# KiCad board panel.kicad_pcb (continued)
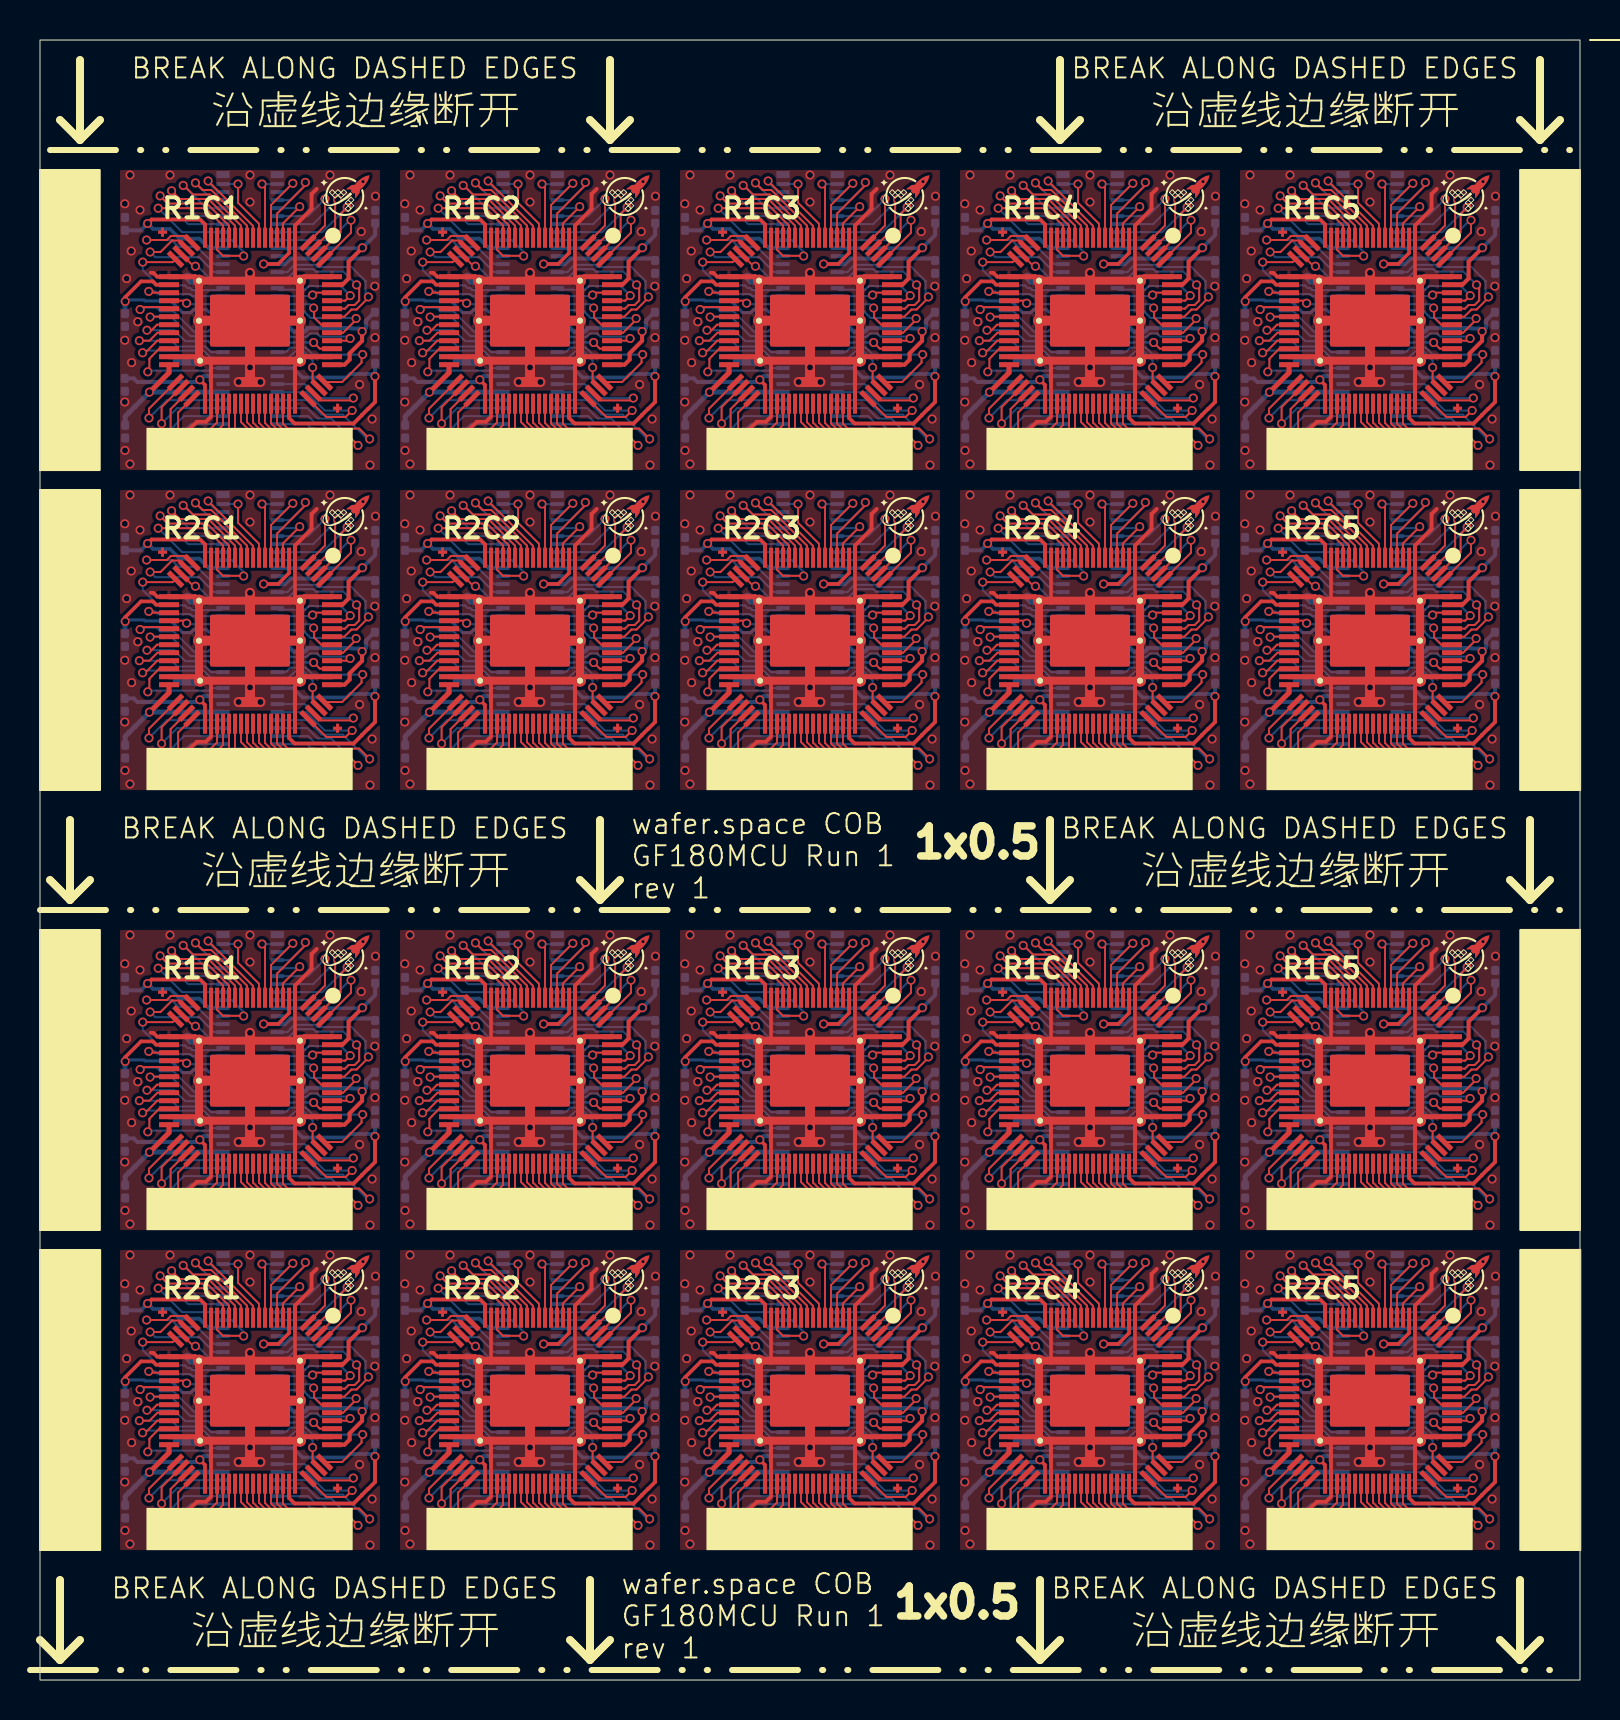
[diagram p0: board, top side]
## Routing (per net, layer and track width the routed paths; a pad name or vN(x,y) marks a point on that pad's centre or on a via; arc(x,y) is an arc through that point) (continued)
/an_2: length 113.8
  Top w0.1: U118.65 57.16,51.36 57.8,52.01 v1(57.8,52.08) ; v1(29.8,30.08) 29.8,30.01 29.16,29.36 U104#2.65 ; U120#2.65 71.16,51.36 71.81,52.01 v1(71.81,52.08) ; v1(57.8,14.08) 57.8,14.01 57.16,13.36 U118#2.65 ; U104.65 29.16,67.37 29.8,68.01 v1(29.8,68.08) ; U106.65 43.16,67.37 43.8,68.01 v1(43.8,68.08) ; U110.65 71.16,67.37 71.81,68.01 v1(71.81,68.08) ; U114.65 29.16,51.36 29.8,52.01 v1(29.8,52.08) ; U116#2.65 43.16,13.36 43.8,14.01 v1(43.8,14.08) ; v1(15.8,68.08) 15.8,68.01 15.16,67.37 U102#2.65 ; U112#2.65 15.16,13.36 15.8,14.01 v1(15.8,14.08) ; v1(71.81,14.08) 71.81,14.01 71.16,13.36 U120.65 ; v1(29.8,14.08) 29.8,14.01 29.16,13.36 U114#2.65 ; U102.65 15.16,29.36 15.8,30.01 v1(15.8,30.08) ; U106#2.65 43.16,29.36 43.8,30.01 v1(43.8,30.08) ; U112.65 15.16,51.36 15.8,52.01 v1(15.8,52.08) ; v1(57.8,30.08) 57.8,30.01 57.16,29.36 U108.65 ; v1(43.8,52.08) 43.8,52.01 43.16,51.36 U116.65 ; v1(71.81,30.08) 71.81,30.01 71.16,29.36 U110#2.65 ; v1(57.8,68.08) 57.8,68.01 57.16,67.37 U108#2.65
  Bottom w0.1: 39.87,30.39 39.87,30.39 40.37,30.39 40.47,30.49 41.14,30.49 41.53,30.1 43.78,30.1 v1(43.8,30.08) ; v1(43.8,14.08) 43.78,14.1 41.53,14.1 41.14,14.49 40.47,14.49 40.37,14.39 39.87,14.39 39.87,14.39 ; v1(57.8,30.08) 57.78,30.1 55.53,30.1 55.14,30.49 54.47,30.49 54.37,30.39 53.87,30.39 53.87,30.39 ; 11.87,14.39 11.87,14.39 12.37,14.39 12.47,14.49 13.14,14.49 13.53,14.1 15.78,14.1 v1(15.8,14.08) ; 67.87,52.39 67.87,52.39 68.37,52.39 68.47,52.49 69.14,52.49 69.53,52.1 71.78,52.1 v1(71.81,52.08) ; v1(43.8,52.08) 43.78,52.1 41.53,52.1 41.14,52.49 40.47,52.49 40.37,52.39 39.87,52.39 39.87,52.39 ; 67.87,14.39 67.87,14.39 68.37,14.39 68.47,14.49 69.14,14.49 69.53,14.1 71.78,14.1 v1(71.81,14.08) ; 53.87,52.39 53.87,52.39 54.37,52.39 54.47,52.49 55.14,52.49 55.53,52.1 57.78,52.1 v1(57.8,52.08) ; U103.17 25.87,68.39 26.37,68.39 26.47,68.49 27.14,68.49 27.53,68.1 29.78,68.1 v1(29.8,68.08) ; v1(15.8,30.08) 15.78,30.1 13.53,30.1 13.14,30.49 12.47,30.49 12.37,30.39 11.87,30.39 11.87,30.39 ; v1(57.8,68.08) 57.78,68.1 55.53,68.1 55.14,68.49 54.47,68.49 54.37,68.39 53.87,68.39 U107#2.17 ; U105#2.17 39.87,68.39 40.37,68.39 40.47,68.49 41.14,68.49 41.53,68.1 43.78,68.1 v1(43.8,68.08) ; 11.87,52.39 11.87,52.39 12.37,52.39 12.47,52.49 13.14,52.49 13.53,52.1 15.78,52.1 v1(15.8,52.08) ; v1(29.8,30.08) 29.78,30.1 27.53,30.1 27.14,30.49 26.47,30.49 26.37,30.39 25.87,30.39 25.87,30.39 ; v1(57.8,14.08) 57.78,14.1 55.53,14.1 55.14,14.49 54.47,14.49 54.37,14.39 53.87,14.39 53.87,14.39 ; v1(15.8,68.08) 15.78,68.1 13.53,68.1 13.14,68.49 12.47,68.49 12.37,68.39 11.87,68.39 U101#2.17 ; v1(71.81,68.08) 71.78,68.1 69.53,68.1 69.14,68.49 68.47,68.49 68.37,68.39 67.87,68.39 U109.17 ; v1(29.8,52.08) 29.78,52.1 27.53,52.1 27.14,52.49 26.47,52.49 26.37,52.39 25.87,52.39 25.87,52.39 ; v1(71.81,30.08) 71.78,30.1 69.53,30.1 69.14,30.49 68.47,30.49 68.37,30.39 67.87,30.39 67.87,30.39 ; 25.87,14.39 25.87,14.39 26.37,14.39 26.47,14.49 27.14,14.49 27.53,14.1 29.78,14.1 v1(29.8,14.08)
/an_3: length 68.5
  Top w0.1: U108#2.66 56.07,67.77 55.71,68.12 55.71,68.53 55.68,68.55 v1(55.68,68.6) ; v1(55.68,30.6) 55.68,30.55 55.71,30.53 55.71,30.12 56.07,29.77 U108.66 ; v1(69.68,30.6) 69.68,30.55 69.71,30.53 69.71,30.12 70.06,29.77 U110#2.66 ; U106.66 42.07,67.77 41.71,68.12 41.71,68.53 41.68,68.55 v1(41.68,68.6) ; v1(27.68,52.6) 27.68,52.55 27.71,52.53 27.71,52.12 28.07,51.77 U114.66 ; v1(55.68,14.6) 55.68,14.55 55.71,14.53 55.71,14.12 56.07,13.77 U118#2.66 ; v1(69.68,68.6) 69.68,68.55 69.71,68.53 69.71,68.12 70.06,67.77 U110.66 ; U118.66 56.07,51.77 55.71,52.12 55.71,52.53 55.68,52.55 v1(55.68,52.6) ; v1(13.68,52.6) 13.68,52.55 13.71,52.53 13.71,52.12 14.07,51.77 U112.66 ; v1(69.68,52.6) 69.68,52.55 69.71,52.53 69.71,52.12 70.06,51.77 U120#2.66 ; U120.66 70.06,13.77 69.71,14.12 69.71,14.53 69.68,14.55 v1(69.68,14.6) ; U102.66 14.07,29.77 13.71,30.12 13.71,30.53 13.68,30.55 v1(13.68,30.6) ; v1(13.68,14.6) 13.68,14.55 13.71,14.53 13.71,14.12 14.07,13.77 U112#2.66 ; U114#2.66 28.07,13.77 27.71,14.12 27.71,14.53 27.68,14.55 v1(27.68,14.6) ; U104#2.66 28.07,29.77 27.71,30.12 27.71,30.53 27.68,30.55 v1(27.68,30.6) ; v1(41.68,30.6) 41.68,30.55 41.71,30.53 41.71,30.12 42.07,29.77 U106#2.66 ; U116#2.66 42.07,13.77 41.71,14.12 41.71,14.53 41.68,14.55 v1(41.68,14.6) ; v1(41.68,52.6) 41.68,52.55 41.71,52.53 41.71,52.12 42.07,51.77 U116.66 ; v1(27.68,68.6) 27.68,68.55 27.71,68.53 27.71,68.12 28.07,67.77 U104.66 ; U102#2.66 14.07,67.77 13.71,68.12 13.71,68.53 13.68,68.55 v1(13.68,68.6)
  Bottom w0.1: v1(69.68,68.6) 69.49,68.8 U109.16 ; U101.16 13.49,30.8 v1(13.68,30.6) ; v1(41.68,68.6) 41.49,68.8 U105#2.16 ; v1(55.68,52.6) 55.49,52.8 U117#2.16 ; v1(13.68,52.6) 13.49,52.8 U111.16 ; U115#2.16 41.49,14.8 v1(41.68,14.6) ; v1(69.68,30.6) 69.49,30.8 U109#2.16 ; U103#2.16 27.49,30.8 v1(27.68,30.6) ; U103.16 27.49,68.8 v1(27.68,68.6) ; U119#2.16 69.49,52.8 v1(69.68,52.6) ; U111#2.16 13.49,14.8 v1(13.68,14.6) ; U119.16 69.49,14.8 v1(69.68,14.6) ; U115.16 41.49,52.8 v1(41.68,52.6) ; v1(55.68,68.6) 55.49,68.8 U107#2.16 ; U117.16 55.49,14.8 v1(55.68,14.6) ; v1(27.68,14.6) 27.49,14.8 U113#2.16 ; U113.16 27.49,52.8 v1(27.68,52.6) ; v1(41.68,30.6) 41.49,30.8 U105.16 ; v1(55.68,30.6) 55.49,30.8 U107.16 ; v1(13.68,68.6) 13.49,68.8 U101#2.16
/bidir_0: length 129.5
  Top w0.1: v1(28.87,74.03) 28.87,74.02 28.76,73.9 28.76,72.67 27.68,71.59 ; v1(14.87,20.03) 14.87,20.02 14.76,19.9 14.76,18.67 13.68,17.59 ; v1(70.87,20.03) 70.87,20.02 70.75,19.9 70.75,18.67 U120.3 ; 55.68,17.59 56.76,18.67 56.76,19.9 56.87,20.02 v1(56.87,20.03) ; v1(42.87,74.03) 42.87,74.02 42.76,73.9 42.76,72.67 41.68,71.59 ; v1(42.87,36.03) 42.87,36.02 42.76,35.9 42.76,34.67 41.68,33.59 ; 13.68,71.59 14.76,72.67 14.76,73.9 14.87,74.02 v1(14.87,74.03) ; 41.68,17.59 42.76,18.67 42.76,19.9 42.87,20.02 v1(42.87,20.03) ; v1(14.87,58.03) 14.87,58.02 14.76,57.9 14.76,56.67 13.68,55.59 ; v1(56.87,58.03) 56.87,58.02 56.76,57.9 56.76,56.67 55.68,55.59 ; 13.68,33.59 14.76,34.67 14.76,35.9 14.87,36.02 v1(14.87,36.03) ; 55.68,33.59 56.76,34.67 56.76,35.9 56.87,36.02 v1(56.87,36.03) ; v1(70.87,36.03) 70.87,36.02 70.75,35.9 70.75,34.67 U110#2.3 ; v1(28.87,58.03) 28.87,58.02 28.76,57.9 28.76,56.67 27.68,55.59 ; v1(70.87,58.03) 70.87,58.02 70.75,57.9 70.75,56.67 U120#2.3 ; 55.68,71.59 56.76,72.67 56.76,73.9 56.87,74.02 v1(56.87,74.03) ; v1(70.87,74.03) 70.87,74.02 70.75,73.9 70.75,72.67 U110.3 ; v1(28.87,20.03) 28.87,20.02 28.76,19.9 28.76,18.67 27.68,17.59 ; v1(28.87,36.03) 28.87,36.02 28.76,35.9 28.76,34.67 27.68,33.59 ; 41.68,55.59 42.76,56.67 42.76,57.9 42.87,58.02 v1(42.87,58.03)
  Bottom w0.1: U107.6 55.65,34.8 56.87,36.02 v1(56.87,36.03) ; U119.6 69.65,18.8 70.87,20.02 v1(70.87,20.03) ; U117#2.6 55.65,56.8 56.87,58.02 v1(56.87,58.03) ; v1(70.87,58.03) 70.87,58.02 69.65,56.8 U119#2.6 ; U111#2.6 13.65,18.8 14.87,20.02 v1(14.87,20.03) ; U113.6 27.65,56.8 28.87,58.02 v1(28.87,58.03) ; v1(42.87,20.03) 42.87,20.02 41.65,18.8 U115#2.6 ; v1(42.87,58.03) 42.87,58.02 41.65,56.8 U115.6 ; U105#2.6 41.65,72.8 42.87,74.02 v1(42.87,74.03) ; v1(14.87,74.03) 14.87,74.02 13.65,72.8 U101#2.6 ; v1(56.87,74.03) 56.87,74.02 55.65,72.8 U107#2.6 ; U101.6 13.65,34.8 14.87,36.02 v1(14.87,36.03) ; v1(14.87,58.03) 14.87,58.02 13.65,56.8 U111.6 ; U103#2.6 27.65,34.8 28.87,36.02 v1(28.87,36.03) ; U109.6 69.65,72.8 70.87,74.02 v1(70.87,74.03) ; U109#2.6 69.65,34.8 70.87,36.02 v1(70.87,36.03) ; U103.6 27.65,72.8 28.87,74.02 v1(28.87,74.03) ; v1(42.87,36.03) 42.87,36.02 41.65,34.8 U105.6 ; U117.6 55.65,18.8 56.87,20.02 v1(56.87,20.03) ; v1(28.87,20.03) 28.87,20.02 27.65,18.8 U113#2.6
/bidir_1: length 105.5
  Top w0.1: U120#2.4 69.4,55.87 70.25,56.72 v1(70.25,58.05) ; U108.4 55.4,33.87 56.25,34.72 v1(56.25,36.05) ; v1(56.25,74.05) 56.25,72.72 55.4,71.87 U108#2.4 ; U118.4 55.4,55.87 56.25,56.72 v1(56.25,58.05) ; U104#2.4 27.4,33.87 28.25,34.72 v1(28.25,36.05) ; U106.4 41.4,71.87 42.25,72.72 v1(42.25,74.05) ; U114.4 27.4,55.87 28.25,56.72 v1(28.25,58.05) ; v1(70.25,74.05) 70.25,72.72 69.4,71.87 U110.4 ; v1(42.25,58.05) 42.25,56.72 41.4,55.87 U116.4 ; U120.4 69.4,17.87 70.25,18.72 v1(70.25,20.05) ; v1(28.25,20.05) 28.25,18.72 27.4,17.87 U114#2.4 ; U102#2.4 13.4,71.87 14.25,72.72 v1(14.25,74.05) ; U112#2.4 13.4,17.87 14.25,18.72 v1(14.25,20.05) ; U110#2.4 69.4,33.87 70.25,34.72 v1(70.25,36.05) ; v1(56.25,20.05) 56.25,18.72 55.4,17.87 U118#2.4 ; v1(14.25,58.05) 14.25,56.72 13.4,55.87 U112.4 ; v1(28.25,74.05) 28.25,72.72 27.4,71.87 U104.4 ; U102.4 13.4,33.87 14.25,34.72 v1(14.25,36.05) ; v1(42.25,36.05) 42.25,34.72 41.4,33.87 U106#2.4 ; U116#2.4 41.4,17.87 42.25,18.72 v1(42.25,20.05)
  Bottom w0.1: v1(42.25,58.05) 41.4,57.2 U115.5 ; v1(42.25,36.05) 41.4,35.2 U105.5 ; U117.5 55.4,19.2 v1(56.25,20.05) ; U113.5 27.4,57.2 v1(28.25,58.05) ; v1(28.25,74.05) 27.4,73.19 U103.5 ; v1(14.25,20.05) 13.4,19.2 U111#2.5 ; U105#2.5 41.4,73.19 v1(42.25,74.05) ; U107.5 55.4,35.2 v1(56.25,36.05) ; U103#2.5 27.4,35.2 v1(28.25,36.05) ; U107#2.5 55.4,73.19 v1(56.25,74.05) ; v1(14.25,36.05) 13.4,35.2 U101.5 ; v1(70.25,58.05) 69.4,57.2 U119#2.5 ; v1(42.25,20.05) 41.4,19.2 U115#2.5 ; U117#2.5 55.4,57.2 v1(56.25,58.05) ; U111.5 13.4,57.2 v1(14.25,58.05) ; v1(70.25,20.05) 69.4,19.2 U119.5 ; U113#2.5 27.4,19.2 v1(28.25,20.05) ; v1(14.25,74.05) 13.4,73.19 U101#2.5 ; v1(70.25,74.05) 69.4,73.19 U109.5 ; v1(70.25,36.05) 69.4,35.2 U109#2.5
/bidir_2: length 60.9
  Top w0.1: 26.15,34.11 26.15,34.83 v1(26.99,35.67) ; 12.15,18.11 12.15,18.83 v1(12.99,19.67) ; v1(54.99,57.67) 54.15,56.83 54.15,56.11 ; v1(40.99,73.66) 40.15,72.83 U106.7 ; v1(68.99,19.67) 68.15,18.83 68.15,18.11 ; 54.15,34.11 54.15,34.83 v1(54.99,35.67) ; v1(40.99,57.67) 40.15,56.83 40.15,56.11 ; 40.15,18.11 40.15,18.83 v1(40.99,19.67) ; 54.15,18.11 54.15,18.83 v1(54.99,19.67) ; v1(54.99,73.66) 54.15,72.83 U108#2.7 ; v1(26.99,19.67) 26.15,18.83 26.15,18.11 ; 40.15,34.11 40.15,34.83 v1(40.99,35.67) ; v1(68.99,73.66) 68.15,72.83 U110.7 ; U102#2.7 12.15,72.83 v1(12.99,73.66) ; 26.15,56.11 26.15,56.83 v1(26.99,57.67) ; 12.15,56.11 12.15,56.83 v1(12.99,57.67) ; v1(26.99,73.66) 26.15,72.83 U104.7 ; v1(68.99,57.67) 68.15,56.83 68.15,56.11 ; v1(68.99,35.67) 68.15,34.83 68.15,34.11 ; v1(12.99,35.67) 12.15,34.83 12.15,34.11
  Bottom w0.1: v1(54.99,19.67) 54.91,19.59 U117.4 ; v1(26.99,57.67) 26.91,57.59 U113.4 ; U113#2.4 26.91,19.59 v1(26.99,19.67) ; U115#2.4 40.91,19.59 v1(40.99,19.67) ; U111.4 12.91,57.59 v1(12.99,57.67) ; v1(68.99,35.67) 68.92,35.59 U109#2.4 ; U101.4 12.91,35.59 v1(12.99,35.67) ; v1(26.99,35.67) 26.91,35.59 U103#2.4 ; U119#2.4 68.92,57.59 v1(68.99,57.67) ; v1(40.99,35.67) 40.91,35.59 U105.4 ; v1(26.99,73.66) 26.91,73.59 U103.4 ; U101#2.4 12.91,73.59 v1(12.99,73.66) ; v1(54.99,57.67) 54.91,57.59 U117#2.4 ; v1(54.99,73.66) 54.91,73.59 U107#2.4 ; U115.4 40.91,57.59 v1(40.99,57.67) ; U119.4 68.92,19.59 v1(68.99,19.67) ; v1(40.99,73.66) 40.91,73.59 U105#2.4 ; U107.4 54.91,35.59 v1(54.99,35.67) ; v1(12.99,19.67) 12.91,19.59 U111#2.4 ; U109.4 68.92,73.59 v1(68.99,73.66)
/bidir_3: length 104
  Top w0.1: v1(69.27,74.88) 69.26,74.87 69.26,74.73 67.85,73.32 U110.8 ; v1(69.27,58.88) 69.26,58.87 69.26,58.73 67.85,57.32 67.85,56.11 ; 11.85,56.11 11.85,57.32 13.26,58.73 13.26,58.87 v1(13.27,58.88) ; v1(41.27,58.88) 41.26,58.87 41.26,58.73 39.85,57.32 39.85,56.11 ; U104.8 25.85,73.32 27.26,74.73 27.26,74.87 v1(27.27,74.88) ; U102#2.8 11.85,73.32 13.26,74.73 13.26,74.87 v1(13.27,74.88) ; 67.85,34.11 67.85,35.32 69.26,36.73 69.26,36.87 v1(69.27,36.88) ; v1(27.27,36.88) 27.26,36.87 27.26,36.73 25.85,35.32 25.85,34.11 ; 25.85,56.11 25.85,57.32 27.26,58.73 27.26,58.87 v1(27.27,58.88) ; 67.85,18.11 67.85,19.32 69.26,20.73 69.26,20.87 v1(69.27,20.88) ; v1(55.27,20.88) 55.26,20.87 55.26,20.73 53.85,19.32 53.85,18.11 ; v1(13.27,36.88) 13.26,36.87 13.26,36.73 11.85,35.32 11.85,34.11 ; v1(55.27,58.88) 55.26,58.87 55.26,58.73 53.85,57.32 53.85,56.11 ; v1(41.27,20.88) 41.26,20.87 41.26,20.73 39.85,19.32 39.85,18.11 ; 39.85,34.11 39.85,35.32 41.26,36.73 41.26,36.87 v1(41.27,36.88) ; v1(55.27,74.88) 55.26,74.87 55.26,74.73 53.85,73.32 U108#2.8 ; v1(13.27,20.88) 13.26,20.87 13.26,20.73 11.85,19.32 11.85,18.11 ; v1(55.27,36.88) 55.26,36.87 55.26,36.73 53.85,35.32 53.85,34.11 ; v1(27.27,20.88) 27.26,20.87 27.26,20.73 25.85,19.32 25.85,18.11 ; v1(41.27,74.88) 41.26,74.87 41.26,74.73 39.85,73.32 U106.8
  Bottom w0.1: v1(55.27,58.88) 55.26,58.87 55.26,58.74 54.51,58 U117#2.3 ; U113#2.3 26.51,20 27.26,20.74 27.26,20.87 v1(27.27,20.88) ; v1(13.27,20.88) 13.26,20.87 13.26,20.74 12.51,20 U111#2.3 ; U103.3 26.51,74 27.26,74.74 27.26,74.87 v1(27.27,74.88) ; v1(27.27,36.88) 27.26,36.87 27.26,36.74 26.51,36 U103#2.3 ; U105#2.3 40.51,74 41.26,74.74 41.26,74.87 v1(41.27,74.88) ; v1(69.27,74.88) 69.26,74.87 69.26,74.74 68.52,74 U109.3 ; U107.3 54.51,36 55.26,36.74 55.26,36.87 v1(55.27,36.88) ; U111.3 12.51,58 13.26,58.74 13.26,58.87 v1(13.27,58.88) ; U113.3 26.51,58 27.26,58.74 27.26,58.87 v1(27.27,58.88) ; U119#2.3 68.52,58 69.26,58.74 69.26,58.87 v1(69.27,58.88) ; U107#2.3 54.51,74 55.26,74.74 55.26,74.87 v1(55.27,74.88) ; U101.3 12.51,36 13.26,36.74 13.26,36.87 v1(13.27,36.88) ; v1(41.27,36.88) 41.26,36.87 41.26,36.74 40.51,36 U105.3 ; U117.3 54.51,20 55.26,20.74 55.26,20.87 v1(55.27,20.88) ; v1(13.27,74.88) 13.26,74.87 13.26,74.74 12.51,74 U101#2.3 ; v1(41.27,20.88) 41.26,20.87 41.26,20.74 40.51,20 U115#2.3 ; v1(69.27,36.88) 69.26,36.87 69.26,36.74 68.52,36 U109#2.3 ; U115.3 40.51,58 41.26,58.74 41.26,58.87 v1(41.27,58.88) ; U119.3 68.52,20 69.26,20.74 69.26,20.87 v1(69.27,20.88)
/bidir_4: length 82.7
  Top w0.1: v1(12.64,74.84) 12.64,74.84 11.55,73.75 U102#2.9 ; v1(26.64,20.84) 26.64,20.84 25.55,19.75 25.55,18.11 ; 67.55,56.11 67.55,57.75 68.64,58.84 v1(68.64,58.84) ; v1(54.64,74.84) 54.64,74.84 53.55,73.75 U108#2.9 ; v1(68.64,20.84) 68.64,20.84 67.55,19.75 67.55,18.11 ; v1(40.64,58.84) 40.64,58.84 39.55,57.75 39.55,56.11 ; 67.55,34.11 67.55,35.75 68.64,36.84 v1(68.64,36.84) ; 11.55,56.11 11.55,57.75 12.64,58.84 v1(12.64,58.84) ; v1(40.64,36.84) 40.64,36.84 39.55,35.75 39.55,34.11 ; v1(40.64,20.84) 40.64,20.84 39.55,19.75 39.55,18.11 ; v1(26.64,36.84) 26.64,36.84 25.55,35.75 25.55,34.11 ; v1(68.64,74.84) 68.64,74.84 67.55,73.75 U110.9 ; v1(12.64,36.84) 12.64,36.84 11.55,35.75 11.55,34.11 ; v1(26.64,74.84) 26.64,74.84 25.55,73.75 U104.9 ; v1(40.64,74.84) 40.64,74.84 39.55,73.75 U106.9 ; 11.55,18.11 11.55,19.75 12.64,20.84 v1(12.64,20.84) ; 53.55,34.11 53.55,35.75 54.64,36.84 v1(54.64,36.84) ; 25.55,56.11 25.55,57.75 26.64,58.84 v1(26.64,58.84) ; 53.55,18.11 53.55,19.75 54.64,20.84 v1(54.64,20.84) ; 53.55,56.11 53.55,57.75 54.64,58.84 v1(54.64,58.84)
  Bottom w0.1: U107#2.2 54.2,74.4 54.64,74.84 v1(54.64,74.84) ; 53.87,36.39 54.2,36.39 54.64,36.84 v1(54.64,36.84) ; U101#2.2 12.2,74.4 12.64,74.84 v1(12.64,74.84) ; U109.2 68.2,74.4 68.64,74.84 v1(68.64,74.84) ; 53.87,58.39 54.2,58.39 54.64,58.84 v1(54.64,58.84) ; 67.87,20.39 68.2,20.39 68.64,20.84 v1(68.64,20.84) ; v1(26.64,58.84) 26.64,58.84 26.2,58.39 25.87,58.39 ; 25.87,20.39 26.2,20.39 26.64,20.84 v1(26.64,20.84) ; v1(12.64,20.84) 12.64,20.84 12.2,20.39 11.87,20.39 ; 39.87,36.39 40.2,36.39 40.64,36.84 v1(40.64,36.84) ; v1(26.64,36.84) 26.64,36.84 26.2,36.39 25.87,36.39 ; v1(40.64,20.84) 40.64,20.84 40.2,20.39 39.87,20.39 ; v1(68.64,58.84) 68.64,58.84 68.2,58.39 67.87,58.39 ; v1(12.64,36.84) 12.64,36.84 12.2,36.39 11.87,36.39 ; 67.87,36.39 68.2,36.39 68.64,36.84 v1(68.64,36.84) ; U105#2.2 40.2,74.4 40.64,74.84 v1(40.64,74.84) ; 53.87,20.39 54.2,20.39 54.64,20.84 v1(54.64,20.84) ; 39.87,58.39 40.2,58.39 40.64,58.84 v1(40.64,58.84) ; v1(12.64,58.84) 12.64,58.84 12.2,58.39 11.87,58.39 ; U103.2 26.2,74.4 26.64,74.84 v1(26.64,74.84)
/bidir_5: length 70.3
  Top w0.1: v1(53.1,74.8) 53.25,74.65 U108#2.10 ; 53.25,56.11 53.25,58.65 v1(53.1,58.8) ; v1(53.1,20.8) 53.25,20.65 53.25,18.11 ; v1(67.1,20.8) 67.25,20.65 67.25,18.11 ; v1(53.1,36.8) 53.25,36.65 53.25,34.11 ; U106.10 39.25,74.65 v1(39.1,74.8) ; 39.25,56.11 39.25,58.65 v1(39.1,58.8) ; U104.10 25.25,74.65 v1(25.1,74.8) ; v1(11.1,74.8) 11.25,74.65 U102#2.10 ; 25.25,56.11 25.25,58.65 v1(25.1,58.8) ; v1(39.1,20.8) 39.25,20.65 39.25,18.11 ; 67.25,34.11 67.25,36.65 v1(67.1,36.8) ; 25.25,34.11 25.25,36.65 v1(25.1,36.8) ; 25.25,18.11 25.25,20.65 v1(25.1,20.8) ; v1(67.1,74.8) 67.25,74.65 U110.10 ; 11.25,18.11 11.25,20.65 v1(11.1,20.8) ; v1(39.1,36.8) 39.25,36.65 39.25,34.11 ; 11.25,56.11 11.25,58.65 v1(11.1,58.8) ; 67.25,56.11 67.25,58.65 v1(67.1,58.8) ; v1(11.1,36.8) 11.25,36.65 11.25,34.11
  Bottom w0.1: v1(11.1,74.8) 11.1,74.8 U101#2.1 ; U115#2.1 39.1,20.8 v1(39.1,20.8) ; U115.1 39.1,58.8 v1(39.1,58.8) ; v1(53.1,58.8) 53.1,58.8 U117#2.1 ; U119.1 67.1,20.8 v1(67.1,20.8) ; U105.1 39.1,36.8 v1(39.1,36.8) ; U107.1 53.1,36.8 v1(53.1,36.8) ; U107#2.1 53.1,74.8 v1(53.1,74.8) ; U113.1 25.1,58.8 v1(25.1,58.8) ; U109#2.1 67.1,36.8 v1(67.1,36.8) ; v1(25.1,36.8) 25.1,36.8 U103#2.1 ; v1(67.1,58.8) 67.1,58.8 U119#2.1 ; U117.1 53.1,20.8 v1(53.1,20.8) ; U101.1 11.1,36.8 v1(11.1,36.8) ; v1(11.1,20.8) 11.1,20.8 U111#2.1 ; v1(11.1,58.8) 11.1,58.8 U111.1 ; v1(25.1,20.8) 25.1,20.8 U113#2.1 ; v1(25.1,74.8) 25.1,74.8 U103.1 ; v1(39.1,74.8) 39.1,74.8 U105#2.1 ; U109.1 67.1,74.8 v1(67.1,74.8)
/bidir_6: length 77.3
  Top w0.1: U102#2.11 10.95,72.81 9.9,73.86 v1(9.9,74.8) ; 10.95,56.11 10.95,56.81 9.9,57.86 v1(9.9,58.8) ; v1(51.9,74.8) 51.9,73.86 52.95,72.81 U108#2.11 ; v1(37.9,74.8) 37.9,73.86 38.95,72.81 U106.11 ; 66.95,56.11 66.95,56.81 65.9,57.86 v1(65.9,58.8) ; v1(37.9,58.8) 37.9,57.86 38.95,56.81 38.95,56.11 ; 10.95,18.11 10.95,18.81 9.9,19.86 v1(9.9,20.8) ; 66.95,34.11 66.95,34.81 65.9,35.86 v1(65.9,36.8) ; 52.95,56.11 52.95,56.81 51.9,57.86 v1(51.9,58.8) ; v1(51.9,20.8) 51.9,19.86 52.95,18.81 52.95,18.11 ; v1(51.9,36.8) 51.9,35.86 52.95,34.81 52.95,34.11 ; v1(37.9,36.8) 37.9,35.86 38.95,34.81 38.95,34.11 ; v1(23.9,74.8) 23.9,73.86 24.95,72.81 U104.11 ; v1(37.9,20.8) 37.9,19.86 38.95,18.81 38.95,18.11 ; 24.95,18.11 24.95,18.81 23.9,19.86 v1(23.9,20.8) ; 24.95,56.11 24.95,56.81 23.9,57.86 v1(23.9,58.8) ; v1(65.9,74.8) 65.9,73.86 66.95,72.81 U110.11 ; 66.95,18.11 66.95,18.81 65.9,19.86 v1(65.9,20.8) ; 10.95,34.11 10.95,34.81 9.9,35.86 v1(9.9,36.8) ; 24.95,34.11 24.95,34.81 23.9,35.86 v1(23.9,36.8)
  Bottom w0.1: U109#2.70 65.16,36.8 v1(65.9,36.8) ; U103.70 23.16,74.8 v1(23.9,74.8) ; U115.70 37.16,58.8 v1(37.9,58.8) ; U101#2.70 9.16,74.8 v1(9.9,74.8) ; U119#2.70 65.16,58.8 v1(65.9,58.8) ; v1(9.9,20.8) 9.16,20.8 U111#2.70 ; U113#2.70 23.16,20.8 v1(23.9,20.8) ; U105#2.70 37.16,74.8 v1(37.9,74.8) ; v1(23.9,36.8) 23.16,36.8 U103#2.70 ; v1(37.9,20.8) 37.16,20.8 U115#2.70 ; v1(51.9,74.8) 51.16,74.8 U107#2.70 ; v1(65.9,20.8) 65.16,20.8 U119.70 ; U111.70 9.16,58.8 v1(9.9,58.8) ; v1(37.9,36.8) 37.16,36.8 U105.70 ; U109.70 65.16,74.8 v1(65.9,74.8) ; U117#2.70 51.16,58.8 v1(51.9,58.8) ; U117.70 51.16,20.8 v1(51.9,20.8) ; v1(51.9,36.8) 51.16,36.8 U107.70 ; v1(9.9,36.8) 9.16,36.8 U101.70 ; v1(23.9,58.8) 23.16,58.8 U113.70
/bidir_7: length 95.5
  Top w0.1: U110.12 66.65,72.7 v1(64.41,74.95) ; v1(22.4,58.95) 24.65,56.7 24.65,56.11 ; v1(22.4,36.95) 24.65,34.7 24.65,34.11 ; v1(22.4,20.95) 24.65,18.7 24.65,18.11 ; v1(50.4,74.95) 52.65,72.7 U108#2.12 ; v1(8.4,58.95) 10.65,56.7 10.65,56.11 ; v1(36.4,20.95) 38.65,18.7 38.65,18.11 ; v1(64.41,36.95) 66.65,34.7 66.65,34.11 ; v1(50.4,58.95) 52.65,56.7 52.65,56.11 ; v1(8.4,74.95) 10.65,72.7 U102#2.12 ; 66.65,56.11 66.65,56.7 v1(64.41,58.95) ; 10.65,18.11 10.65,18.7 v1(8.4,20.95) ; U104.12 24.65,72.7 v1(22.4,74.95) ; 66.65,18.11 66.65,18.7 v1(64.41,20.95) ; U106.12 38.65,72.7 v1(36.4,74.95) ; 52.65,34.11 52.65,34.7 v1(50.4,36.95) ; v1(8.4,36.95) 10.65,34.7 10.65,34.11 ; 52.65,18.11 52.65,18.7 v1(50.4,20.95) ; v1(36.4,36.95) 38.65,34.7 38.65,34.11 ; v1(36.4,58.95) 38.65,56.7 38.65,56.11
  Bottom w0.1: 23.15,20.39 22.9,20.39 22.4,20.89 v1(22.4,20.95) ; v1(64.41,36.95) 64.41,36.89 64.91,36.39 65.16,36.39 ; 51.15,58.39 50.9,58.39 50.4,58.89 v1(50.4,58.95) ; v1(8.4,36.95) 8.4,36.89 8.9,36.39 9.15,36.39 ; v1(36.4,58.95) 36.4,58.89 36.9,58.39 37.15,58.39 ; 65.16,58.39 64.91,58.39 64.41,58.89 v1(64.41,58.95) ; 37.15,20.39 36.9,20.39 36.4,20.89 v1(36.4,20.95) ; U109.69 64.91,74.4 64.41,74.9 v1(64.41,74.95) ; 51.15,36.39 50.9,36.39 50.4,36.89 v1(50.4,36.95) ; U101#2.69 8.9,74.4 8.4,74.9 v1(8.4,74.95) ; v1(50.4,74.95) 50.4,74.9 50.9,74.4 U107#2.69 ; v1(64.41,20.95) 64.41,20.89 64.91,20.39 65.16,20.39 ; U105#2.69 36.9,74.4 36.4,74.9 v1(36.4,74.95) ; v1(22.4,36.95) 22.4,36.89 22.9,36.39 23.15,36.39 ; 23.15,58.39 22.9,58.39 22.4,58.89 v1(22.4,58.95) ; v1(8.4,20.95) 8.4,20.89 8.9,20.39 9.15,20.39 ; v1(36.4,36.95) 36.4,36.89 36.9,36.39 37.15,36.39 ; U103.69 22.9,74.4 22.4,74.9 v1(22.4,74.95) ; v1(8.4,58.95) 8.4,58.89 8.9,58.39 9.15,58.39 ; v1(50.4,20.95) 50.4,20.89 50.9,20.39 51.15,20.39
/bidir_8: length 116.1
  Top w0.1: v1(63.77,74.85) 64.13,74.5 64.57,74.5 66.35,72.72 U110.13 ; v1(7.77,20.85) 8.13,20.5 8.57,20.5 10.35,18.72 10.35,18.11 ; v1(7.77,36.85) 8.13,36.5 8.57,36.5 10.35,34.72 10.35,34.11 ; v1(49.77,58.85) 50.13,58.5 50.57,58.5 52.35,56.72 52.35,56.11 ; 52.35,18.11 52.35,18.72 50.57,20.5 50.13,20.5 v1(49.77,20.85) ; 66.35,56.11 66.35,56.72 64.57,58.5 64.13,58.5 v1(63.77,58.85) ; v1(49.77,36.85) 50.13,36.5 50.57,36.5 52.35,34.72 52.35,34.11 ; 10.35,56.11 10.35,56.72 8.57,58.5 8.13,58.5 v1(7.77,58.85) ; v1(35.77,20.85) 36.13,20.5 36.57,20.5 38.35,18.72 38.35,18.11 ; v1(49.77,74.85) 50.13,74.5 50.57,74.5 52.35,72.72 U108#2.13 ; v1(21.77,74.85) 22.13,74.5 22.57,74.5 24.35,72.72 U104.13 ; 66.35,34.11 66.35,34.72 64.57,36.5 64.13,36.5 v1(63.77,36.85) ; 24.35,34.11 24.35,34.72 22.57,36.5 22.13,36.5 v1(21.77,36.85) ; v1(7.77,74.85) 8.13,74.5 8.57,74.5 10.35,72.72 U102#2.13 ; 38.35,34.11 38.35,34.72 36.57,36.5 36.13,36.5 v1(35.77,36.85) ; v1(21.77,20.85) 22.13,20.5 22.57,20.5 24.35,18.72 24.35,18.11 ; v1(21.77,58.85) 22.13,58.5 22.57,58.5 24.35,56.72 24.35,56.11 ; v1(35.77,58.85) 36.13,58.5 36.57,58.5 38.35,56.72 38.35,56.11 ; v1(35.77,74.85) 36.13,74.5 36.57,74.5 38.35,72.72 U106.13 ; v1(63.77,20.85) 64.13,20.5 64.57,20.5 66.35,18.72 66.35,18.11
  Bottom w0.1: U113#2.68 22.63,20 v1(21.77,20.85) ; U111#2.68 8.63,20 v1(7.77,20.85) ; v1(35.77,58.85) 36.63,58 U115.68 ; U105.68 36.63,36 v1(35.77,36.85) ; U101#2.68 8.63,74 v1(7.77,74.85) ; U117.68 50.63,20 v1(49.77,20.85) ; v1(21.77,58.85) 22.63,58 U113.68 ; v1(49.77,36.85) 50.63,36 U107.68 ; U117#2.68 50.63,58 v1(49.77,58.85) ; v1(21.77,36.85) 22.63,36 U103#2.68 ; v1(35.77,20.85) 36.63,20 U115#2.68 ; U109#2.68 64.63,36 v1(63.77,36.85) ; U111.68 8.63,58 v1(7.77,58.85) ; U119.68 64.63,20 v1(63.77,20.85) ; v1(21.77,74.85) 22.63,74 U103.68 ; U105#2.68 36.63,74 v1(35.77,74.85) ; U101.68 8.63,36 v1(7.77,36.85) ; U119#2.68 64.63,58 v1(63.77,58.85) ; v1(63.77,74.85) 64.63,74 U109.68 ; U107#2.68 50.63,74 v1(49.77,74.85)
/bidir_9: length 135.8
  Top w0.1: 38.05,56.11 38.05,56.72 36.49,58.28 35.64,58.28 35.19,58.73 v1(35.16,58.73) ; v1(63.16,58.73) 63.19,58.73 63.64,58.28 64.49,58.28 66.05,56.72 66.05,56.11 ; v1(7.16,58.73) 7.19,58.73 7.64,58.28 8.49,58.28 10.05,56.72 10.05,56.11 ; v1(21.16,20.73) 21.19,20.73 21.64,20.28 22.49,20.28 24.05,18.72 24.05,18.11 ; 10.05,34.11 10.05,34.72 8.49,36.28 7.64,36.28 7.19,36.73 v1(7.16,36.73) ; 38.05,34.11 38.05,34.72 36.49,36.28 35.64,36.28 35.19,36.73 v1(35.16,36.73) ; U110.14 66.05,72.72 64.49,74.28 63.64,74.28 63.19,74.73 v1(63.16,74.73) ; 24.05,34.11 24.05,34.72 22.49,36.28 21.64,36.28 21.19,36.73 v1(21.16,36.73) ; v1(49.16,58.73) 49.19,58.73 49.64,58.28 50.49,58.28 52.05,56.72 52.05,56.11 ; 38.05,18.11 38.05,18.72 36.49,20.28 35.64,20.28 35.19,20.73 v1(35.16,20.73) ; v1(35.16,74.73) 35.19,74.73 35.64,74.28 36.49,74.28 38.05,72.72 U106.14 ; v1(49.16,20.73) 49.19,20.73 49.64,20.28 50.49,20.28 52.05,18.72 52.05,18.11 ; 66.05,18.11 66.05,18.72 64.49,20.28 63.64,20.28 63.19,20.73 v1(63.16,20.73) ; v1(7.16,20.73) 7.19,20.73 7.64,20.28 8.49,20.28 10.05,18.72 10.05,18.11 ; 66.05,34.11 66.05,34.72 64.49,36.28 63.64,36.28 63.19,36.73 v1(63.16,36.73) ; U108#2.14 52.05,72.72 50.49,74.28 49.64,74.28 49.19,74.73 v1(49.16,74.73) ; U104.14 24.05,72.72 22.49,74.28 21.64,74.28 21.19,74.73 v1(21.16,74.73) ; 52.05,34.11 52.05,34.72 50.49,36.28 49.64,36.28 49.19,36.73 v1(49.16,36.73) ; U102#2.14 10.05,72.72 8.49,74.28 7.64,74.28 7.19,74.73 v1(7.16,74.73) ; v1(21.16,58.73) 21.19,58.73 21.64,58.28 22.49,58.28 24.05,56.72 24.05,56.11
  Bottom w0.1: v1(7.16,58.73) 7.19,58.73 8.32,57.59 U111.67 ; v1(63.16,74.73) 63.19,74.73 64.32,73.59 U109.67 ; U103.67 22.32,73.59 21.19,74.73 v1(21.16,74.73) ; U107#2.67 50.32,73.59 49.19,74.73 v1(49.16,74.73) ; v1(49.16,58.73) 49.19,58.73 50.32,57.59 U117#2.67 ; v1(7.16,74.73) 7.19,74.73 8.32,73.59 U101#2.67 ; v1(21.16,58.73) 21.19,58.73 22.32,57.59 U113.67 ; v1(7.16,20.73) 7.19,20.73 8.32,19.59 U111#2.67 ; U103#2.67 22.32,35.59 21.19,36.73 v1(21.16,36.73) ; U117.67 50.32,19.59 49.19,20.73 v1(49.16,20.73) ; v1(49.16,36.73) 49.19,36.73 50.32,35.59 U107.67 ; U113#2.67 22.32,19.59 21.19,20.73 v1(21.16,20.73) ; v1(35.16,74.73) 35.19,74.73 36.32,73.59 U105#2.67 ; U105.67 36.32,35.59 35.19,36.73 v1(35.16,36.73) ; v1(63.16,36.73) 63.19,36.73 64.32,35.59 U109#2.67 ; U119#2.67 64.32,57.59 63.19,58.73 v1(63.16,58.73) ; U115.67 36.32,57.59 35.19,58.73 v1(35.16,58.73) ; v1(35.16,20.73) 35.19,20.73 36.32,19.59 U115#2.67 ; U119.67 64.32,19.59 63.19,20.73 v1(63.16,20.73) ; U101.67 8.32,35.59 7.19,36.73 v1(7.16,36.73)
